# Altium PCB ZYNQ7010_AD9363.PcbDoc (part 4 of 6) (continued)
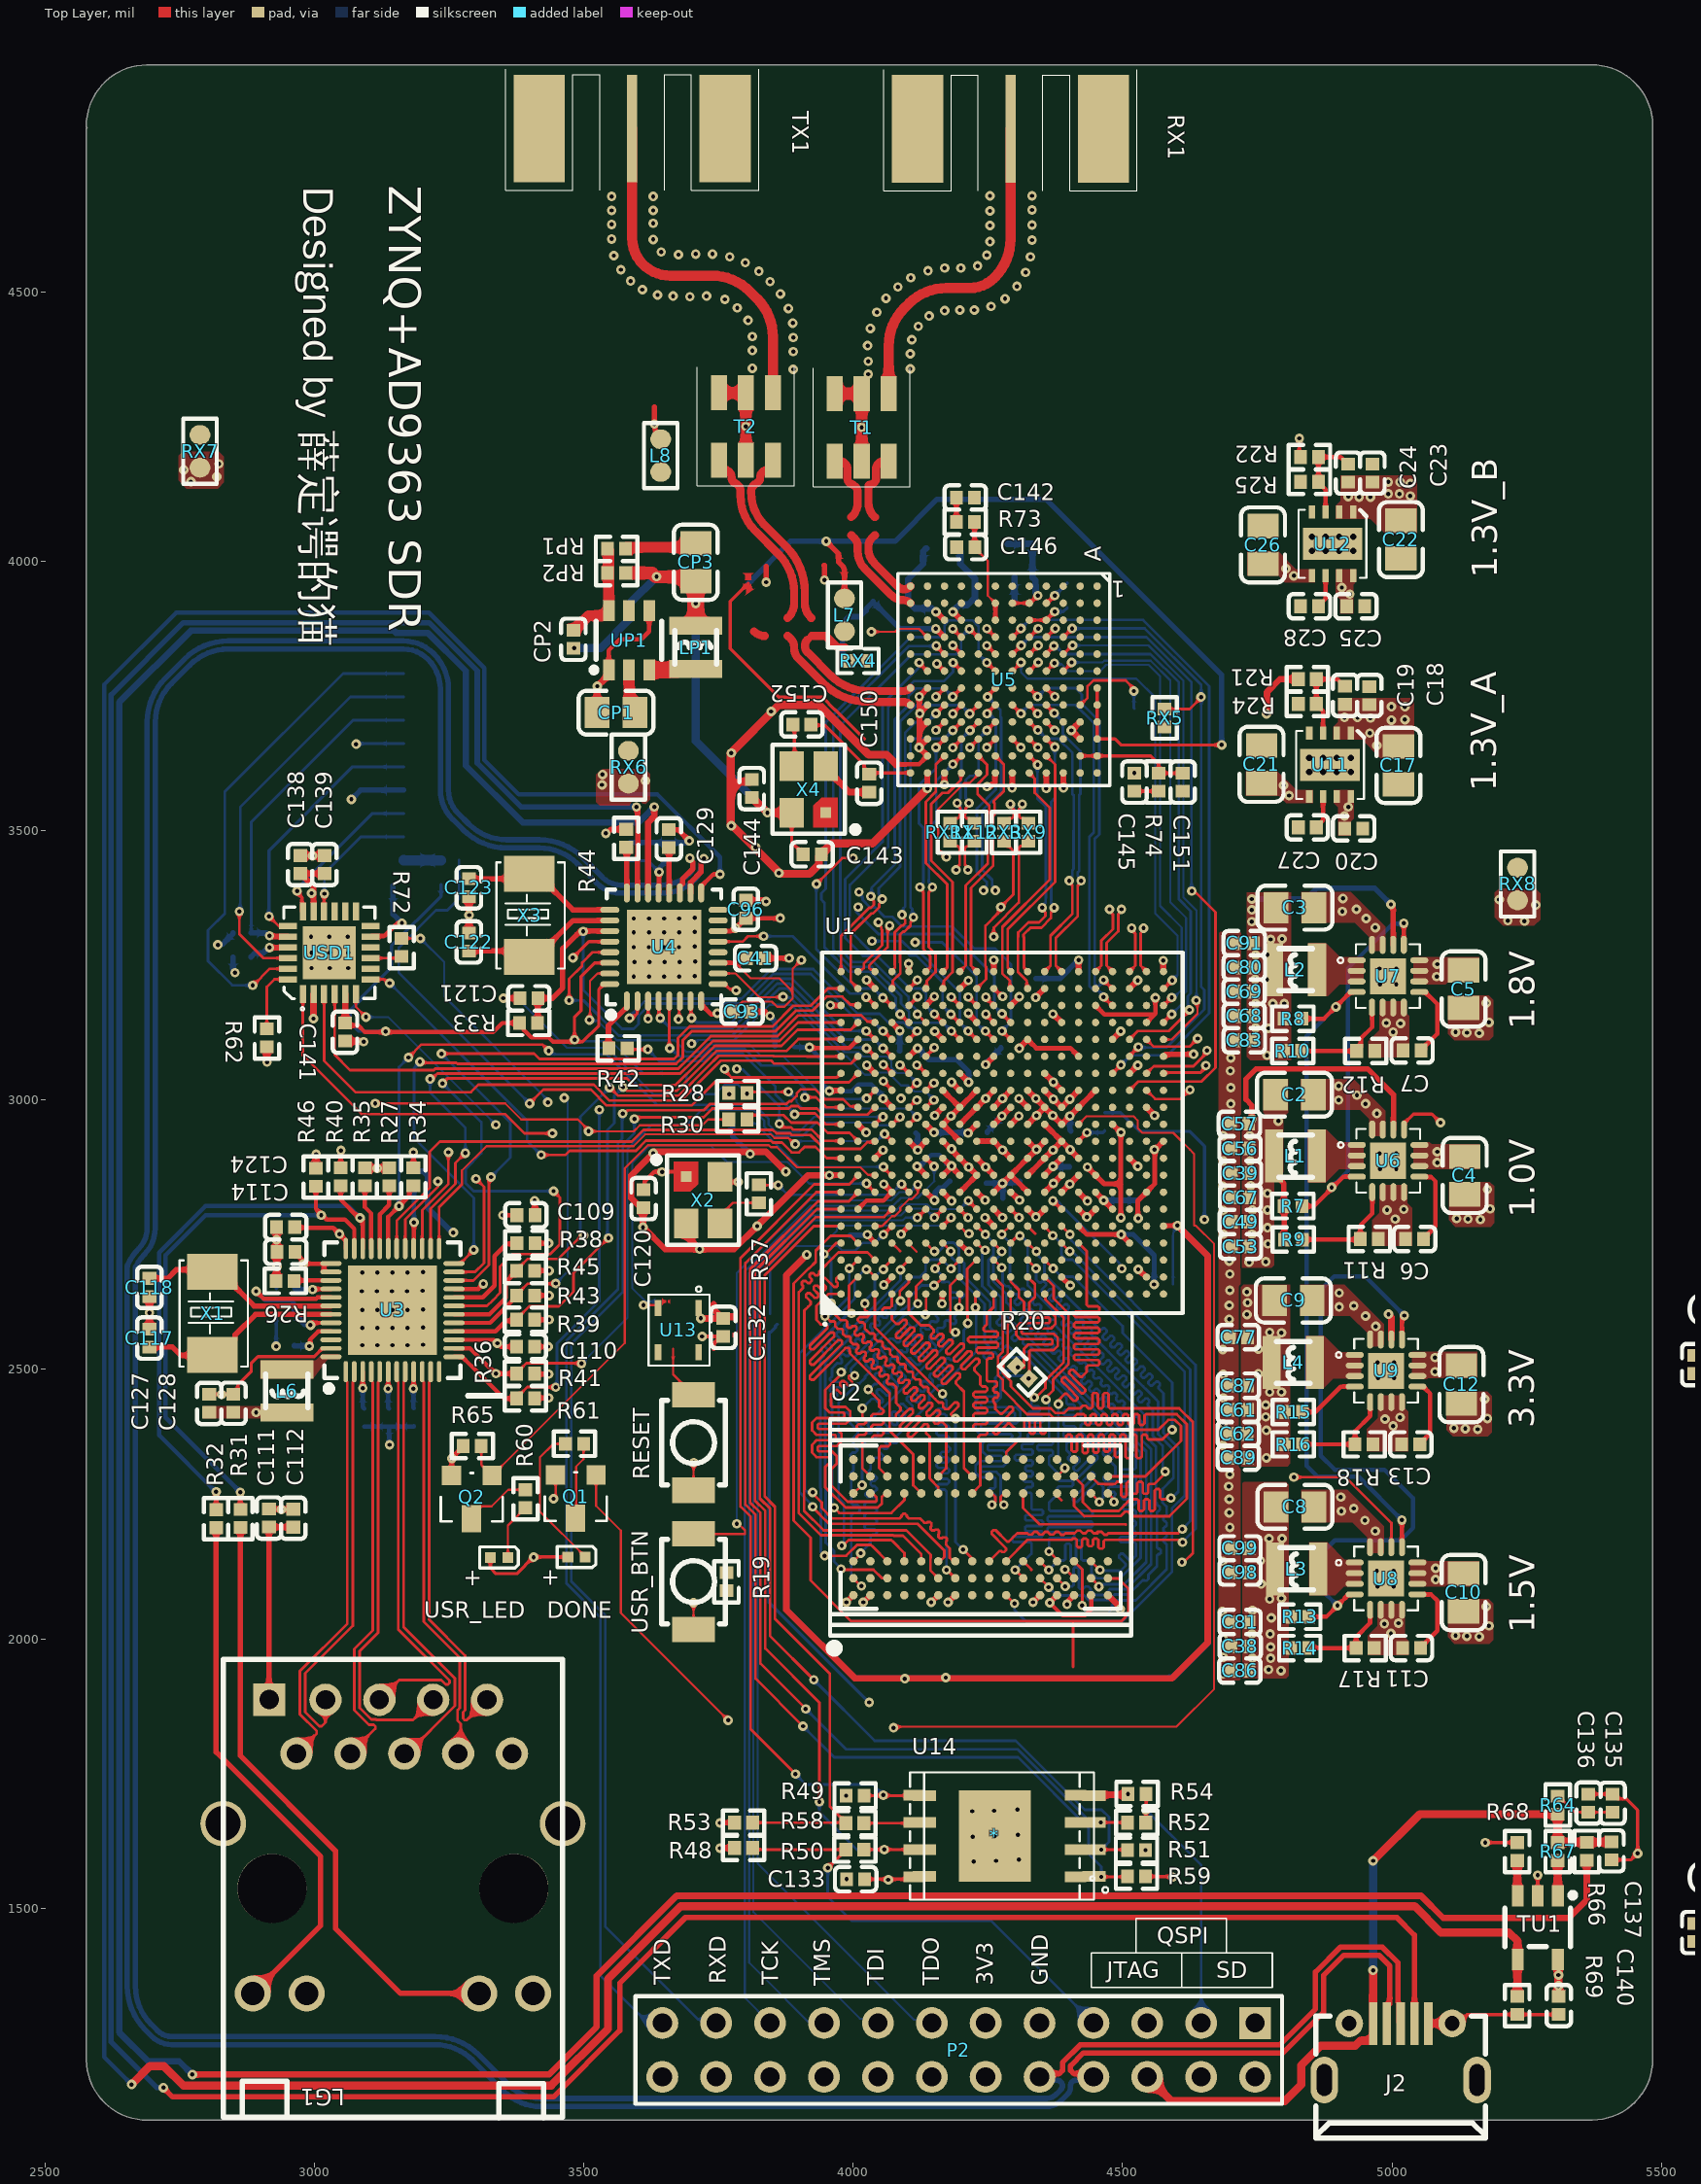
[diagram p0: Top Layer view]
## Nets (pads, with @x,y where several pads share a name; then routed paths per layer and width w, separated by ;. In a path a pad name is that pad's centre, name@x,y a point inside that pad or via, vN(x,y) a via of type N, cw(c..) or ccw(c..) an arc to the next point about the centre after c; other vN are vias at no path point) (continued)
NetR44_1: R44.1 U4.24 | length 85.1
  Top Layer w10: R44.1@3579,3469 3579.91,3468.09 3579.91,3384.59 U4.24@3580.1,3384.39
NetR55_2: R55.2 U1.R10 | length 56.6
  Top Layer w5: U1.R10@4418.32,2923.81 v1(4434.06,2939.55)
  Bottom Layer w6: v1(4434.06,2939.55) 4463.55,2939.55 R55.2@4467,2943
NetR57_2: R57.2 U1.L6 | length 22.3
  Top Layer w5: U1.L6@4292.48,2797.48 v1(4308.22,2781.74)
NetR60_2: R60.2 USR_LED.2 | length 106.5
  Top Layer w4: USR_LED.2@3359.14,2151 3359.14,2210.41 3381.2,2232.47 3381.2,2233.46 3391.02,2243.27 R60.2@3392,2243.27
NetR62_2: R62.2 USD1.24 | length 123.1
  Top Layer w5: R62.2@2912,3132 2912,3210 2926.1,3224.1 USD1.24@2951.3,3224.1
NetR63_2: R63.2 tf1.3 USD1.20 | length 638.4
  Top Layer w10: v1(2917,3305) 2918.3,3303.7 2950.4,3303.7 USD1.20@2951.3,3302.8
  Bottom Layer w5: R63.2@2883,3310 2883,3516 3071.97,3704.97 tf1.3@3165.82,3704.97
  Bottom Layer w10: R63.2@2883,3310 2909.91,3310 2914.91,3305 v1(2917,3305)
NetR67_2: R67.2 TU1.1 | length 65.4
  Top Layer w4: TU1.1@5307.5,1523.7 TU1.1@5307.9,1523.3
  Top Layer w15: TU1.1@5307.5,1523.7 R67.2@5307.5,1588.5
NetR68_1: R68.1 TU1.3 | length 65.5
  Top Layer w4: TU1.3@5232.5,1523.9 TU1.3@5233.1,1523.3
  Top Layer w15: TU1.3@5232.5,1523.9 R68.1@5232.5,1588.5
NetR70_1: R70.1 tf1.9 | length 69.5
  Bottom Layer w19: tf1.9@3165.82,3445.13 3165.88,3445.06 3235.2,3445.06 R70.1@3235.27,3445
NetR72_1: R72.1 USD1.9 | length 68.1
  Top Layer w5: USD1.9@3104.9,3263.4 3169.6,3263.4 R72.1@3172,3261
NetR75_1: R75.1 U5.L4 | length 112.6
  Top Layer w4: v1(4034,3869) 4078.21,3869 4083.67,3874.46 4122.36,3874.46 U5.L4@4137.71,3859.11
  Top Layer w10: U5.L4@4137.71,3859.11 U5.L4@4138.02,3859.11
NetRESET_2: RESET.2 U13.3 | length 101.3
  Top Layer w4: 3666,2538.4 3666,2490.73 RESET.2@3703.95,2452.79
NetRX1_1: RX1.1 T1.3 | length 634.4
  Top Layer w19: T1.3@4066,4311 4066,4399.58 cw(c4166,4399.58) 4095.29,4470.29 4102.71,4477.71 cw(c4173.42,4407) 4173.42,4507 4216.13,4507 ccw(c4216.13,4571.87) 4262,4526 4262.71,4526.71 ccw(c4192,4597.42) 4292,4597.42 RX1.1@4292,4802.5
NetRX2_1: RX2.1 T2.3
NetT3_3: T3.3 TX1.1
NetT4_3: T4.3 TX2.1
Nettf1_1: tf1.1 USD1.23 | length 929.2
  Top Layer w5: v1@2886.37,3212.37 2917.7,3243.7 USD1.23@2951.3,3243.7
  Bottom Layer w5: v1@2886,3213 2848,3213 2803,3258 2803,3315 2834,3346 2834,3572 3053.58,3791.58 tf1.1@3165.82,3791.58
  other v1: 2885.87,3212.87
Nettf1_2: tf1.2 USD1.22 | length 732.2
  Top Layer w5: v1(2861,3350) 2861,3308 2905.6,3263.4 USD1.22@2951.3,3263.4
  Bottom Layer w5: v1@2863,3350 2863,3544 3067.28,3748.28 tf1.2@3165.82,3748.28
Nettf1_5: tf1.5 USD1.19 | length 479.3
  Top Layer w5: v1@2916,3341 2934.5,3322.5 USD1.19@2951.3,3322.5
  Bottom Layer w6: v1(2915.87,3340.87) 2915.87,3462.87 3071.35,3618.35 tf1.5@3165.82,3618.35
Nettf1_7: tf1.7 USD1.18 | length 302.2
  Top Layer w6: v1(2968,3388) 2968,3384.83 2977.13,3375.7 2977.13,3362.57 USD1.18@2978,3361.7
  Top Layer w10: USD1.18@2978,3361.7 2978,3350.9 USD1.18@2978.9,3350
  Bottom Layer w6: v1(2968,3388) 2968,3391.17 2972.63,3395.8 2972.63,3396.63 3107.74,3531.74 tf1.7@3165.82,3531.74
Nettf1_8: tf1.8 USD1.16 | length 246.2
  Top Layer w5: USD1.16@3018.3,3350 3018.3,3382.3 v1(3018.87,3382.87) v1@3019,3383
  Bottom Layer w5: v1(3018.87,3382.87) 3018.87,3420.87 3086.43,3488.43 tf1.8@3165.82,3488.43
OTG_CLK: R42.1 U1.A11 | length 477.7
  Top Layer w5: R42.1@3580.73,3096 3582.73,3094 v1(3619,3094) ; v1(3891.36,2973.36) 3893,2975 3929.32,2975 3949.36,2954.96 U1.A11@3977.52,2954.96
  Bottom Layer w5: v1(3619,3094) 3641,3072 3723,3072 3737,3086 3795,3086 3856,3025 3856,3010 3891,2975 3891,2973.72 v1(3891.36,2973.36)
OTG_DATA0: U1.A14 U4.3 | length 463.2
  Top Layer w5: v1(3619.47,3150.81) U4.3@3619.47,3183.61 ; v1(3761.36,3057.64) 3761.36,3054.64 3774,3042 3970.07,3042 U1.A14@3977.52,3049.45
  Mid-Layer 1 w5: v1(3619.47,3150.81) 3619.47,3137.53 3641,3116 3641,3091 3655,3077 3739,3077 3758.36,3057.64 v1(3761.36,3057.64)
OTG_DATA1: U1.D15 U4.4 | length 560.4
  Top Layer w5: U4.4@3639.16,3183.61 3639.58,3183.19 3639.58,3154.42 v1(3642,3152) ; v1(4055.43,3096.14) 4056.12,3096.14 4071.32,3080.94 U1.D15@4072.01,3080.94
  Bottom Layer w5: v1(3642,3152) 3660.14,3133.86 3777.11,3133.86 3850.25,3207 3859.25,3216 3882.06,3216 3891.06,3207 3985.7,3112.36 4039.51,3112.36 4055.3,3096.57 4055.3,3096.27 v1(4055.43,3096.14)
OTG_DATA2: U1.A12 U4.5 | length 473.1
  Top Layer w5: U4.5@3658.84,3183.61 3658.84,3096.88 v1(3659.64,3096.08) ; v1(3910.4,3004.56) 3910.85,3005 3931.27,3005 3949.82,2986.45 U1.A12@3977.52,2986.45
  Bottom Layer w5: v1(3659.64,3096.08) 3661.92,3096.08 3677,3081 3719.27,3081 3733.27,3095 3798.73,3095 3829.73,3064 3868,3064 3910,3022 3910,3004.96 v1(3910.4,3004.56)
OTG_DATA3: U1.F12 U4.6 | length 667.9
  Top Layer w4: v1(3676,3150) 3677.26,3151.26 3677.26,3182.34 U4.6@3678.53,3183.61 ; v1@3698.36,3104.64 v1(3700.28,3104.64) ; U1.F12@4135,2986.45 v1@4148.7,3000.15
  Mid-Layer 1 w4: v1(3676,3150) 3676,3128.92 v1(3700.28,3104.64)
  Bottom Layer w4: v1(3700.28,3104.64) 3701.72,3104.64 3702,3104.36 3705.37,3104.36 3712.51,3111.5 3779.5,3111.5 3844.78,3176.78 3885.22,3176.78 3981,3081 3988,3081 4022,3047 4031,3047 4035.14,3051.14 4064.86,3051.14 4089,3027 4102.21,3027 4113.21,3016 4134.23,3016 v1(4150.08,3000.15)
OTG_DATA4: U1.C16 U4.7 | length 456.3
  Top Layer w5: U4.7@3698.21,3183.61 3699.16,3182.65 3699.16,3152.99 v1(3700.12,3152.04) ; v1(4024.23,3128.23) 4024.72,3128.23 U1.C16@4040.51,3112.44
  Bottom Layer w5: v1(3700.12,3152.04) 3701.36,3152.04 3709.4,3144 3774.52,3144 3855.52,3225 3887.07,3225 3983.84,3128.23 v1(4024.23,3128.23)
OTG_DATA5: U1.A10 U4.9 | length 455
  Top Layer w5: U4.9@3749.39,3215.1 3761.6,3215.1 3770.91,3205.79 3780.57,3205.79 v1(3783,3203.36) ; v1(3863.16,2955.86) 3863.16,2951.93 3866.09,2949 3885,2949 3889.16,2944.84 3923.61,2944.84 3944.14,2924.32 3976.66,2924.32 U1.A10@3977.52,2923.46
  Mid-Layer 1 w5: v1(3783,3203.36) 3783.5,3202.86 3783.5,3058.14 v1(3784,3057.64)
  Bottom Layer w5: v1(3784,3057.64) 3784.64,3057 3794.53,3057 3863.16,2988.37 v1(3863.16,2955.86)
OTG_DATA6: U1.E13 U4.10 | length 482.1
  Top Layer w4: U4.10@3749.39,3234.79 3749.57,3234.96 3782.04,3234.96 3826.2,3190.8 3869.15,3190.8 v1(3870,3191.64) ; U1.E13@4103.5,3017.95 4104.14,3017.95 4117.96,3031.77 v1(4118.59,3031.77)
  Bottom Layer w4: v1(3870,3191.64) 3871.64,3190 3883.31,3190 3984.31,3089 4009.43,3089 4017.57,3080.86 4062.15,3080.86 4070.86,3072.15 4070.86,3060 4080.86,3050 4100.23,3050 4118.45,3031.77 v1(4118.59,3031.77)
OTG_DATA7: U1.C18 U4.13 | length 347.5
  Top Layer w5: U4.13@3749.39,3293.84 3794.84,3293.84 3805,3304 v1(3834,3304) ; v1@4025.01,3190.93 U1.C18@4040.51,3175.43
  Bottom Layer w5: v1(3834,3304) 3888,3304 3994.64,3197.36 4017.5,3197.36 v1(4023.93,3190.93)
OTG_DIR: U1.C13 U4.31 | length 721.9
  Top Layer w4: v1(3510.64,3148.64) 3511.86,3149.86 3511.86,3220.87 3525.78,3234.79 U4.31@3548.61,3234.79 ; v1@4026.81,3004.25 U1.C13@4040.51,3017.95
  Bottom Layer w4: v1(3510.64,3148.64) 3512.29,3146.99 3525.5,3146.99 3561.49,3111 3669,3111 3690.5,3089.5 3715.75,3089.5 3729.75,3103.5 3807.12,3103.5 3829.41,3081.2 3870.5,3081.2 3949.92,3001.78 4023.78,3001.78 v1(4025,3003)
OTG_NXT: U1.E16 U4.2 | length 684.3
  Top Layer w5: v1(3585,3152) 3591,3152 3599.39,3160.39 3599.39,3183.21 U4.2@3599.79,3183.61 ; U1.E16@4103.5,3112.44 v1@4119,3127.94
  Bottom Layer w5: v1(3585,3152) 3585,3154.73 3618.27,3188 3793.07,3188 3848.07,3243 3926,3243 4009,3160 4049,3160 4065.21,3143.79 4093.21,3143.79 4102.56,3134.44 4108.12,3134.44 4114.72,3127.84 4118.86,3127.84 v1(4119,3127.99)
OTG_RESETN: C121.2 R33.1 U1.D16 U4.27 | length 1087.6
  Top Layer w5: v1(4055.43,3127.99) 4056.46,3127.99 U1.D16@4072.01,3112.44
  Top Layer w10: R33.1@3414.46,3143 3414.73,3143.27 3414.73,3188.73 C121.2@3415,3189 3442,3189 3461,3208 3461,3281 3493.53,3313.53 U4.27@3548.61,3313.53
  Bottom Layer w5: v1(3499,3313) 3499,3204 3571,3132 3593,3132 3602,3141 3602,3156.27 3624.73,3179 3796.8,3179 3851.8,3234 3921.51,3234 4004.51,3151 4032.37,3151 v1(4055.43,3127.99) v1(4055.43,3127.99)
OTG_STP: U1.C15 U4.29 | length 822.5
  Top Layer w5: v1(3473,3185) 3473,3225 3497,3249 3497,3255 3516.16,3274.16 U4.29@3548.61,3274.16 ; v1(4025,3096.14) 4025.15,3096.14 4040.36,3080.94 U1.C15@4040.51,3080.94
  Bottom Layer w5: v1(3473,3185) 3499.51,3185 3564.87,3119.64 3583.36,3119.64 3583.72,3120 3775.98,3120 3862.98,3207 3878.33,3207 3987.83,3097.5 4023.64,3097.5 v1(4025,3096.14)
PG_1V0: R7.2 U6.4 U7.13 | length 721.7
  Top Layer w8: R7.2@4833,2803 4855,2803 4909.7,2857.7 U6.4@4934.8,2857.7 ; U7.13@5022,3288 v1(5022,3328)
  Bottom Layer w8: v1(4888,2838) 4918,2868 4918,3244 5001.14,3327.14 5021.14,3327.14 v1(5022,3328)
PG_1V5: R13.2 U8.4 U9.13 | length 1212.2
  Top Layer w8: R13.2@4845.73,2041 4878.15,2041 v1(4898.9,2061.75) 4919.65,2082.5 U8.4@4930.9,2082.5 ; U9.13@5018.6,2555.6 5018.6,2595.6 v1(5023,2600)
  Bottom Layer w8: v1(4898.9,2061.75) 4867,2093.65 4867,2156 4894,2183 5016,2183 5039,2206 5039,2261 4986,2314 4894,2314 4868,2340 4868,2648 4893,2673 4950,2673 5021,2602 5023,2602 v1(5023,2600)
PG_1V8: R8.2 U7.4 U8.13 | length 1265.5
  Top Layer w8: R8.2@4833,3151 4873.75,3151 4923.15,3200.4 U7.4@4934.4,3200.4 ; v1@5018,2221 v1(5018.5,2220.5) U8.13@5018.5,2170.1
  Bottom Layer w8: v1(4896,3173) 4842,3119 4842,2321 4862,2301 4938,2301 v1(5018.5,2220.5)
PHY_AD0/LED0: R31.1 R46.2 U3.35 | length 1018.2
  Top Layer w8: v1(2862.65,2272.27) 2862.65,2240.35 R31.1@2863,2240 ; R46.2@3003,2840.2 3003,2798.2 v1@3013.92,2787.27 ; v1(3013,2786.34) v1@3013.92,2787.27 ; U3.35@3074.27,2724.26 3074.27,2760.92 3057,2778.2 3023,2778.2 v1@3013.92,2787.27
  Bottom Layer w8: v1(2862.65,2272.27) 2724,2410.91 2724,2712.03 2798.31,2786.34 3012.31,2786.34 3012.65,2786 v1(3013,2786.34) v1@3014.85,2786.34
PHY_AD1/LED1: R32.1 R40.2 U3.34 | length 1078.5
  Top Layer w8: R32.1@2818,2239.73 v1(2818,2273) ; R40.2@3049,2840.47 3049,2815.2 3084,2780.2 3090.02,2774.18 U3.34@3090.02,2724.26
  Bottom Layer w8: v1@2821.75,2268.25 2712,2378 2712,2717 2798.2,2803.2 3063,2803.2 v1(3085,2781.2)
PHY_MDI0_N: LG1.P3 U3.2 | length 762.7
  Top Layer w5: LG1.P3@3020.8,1887 3020.8,1845.04 3013.68,1837.93 3009.54,1837.93 2983.3,1864.17 2983.3,1936.16 3071.4,2024.25 3071.4,2476.69 3074.27,2479.56 U3.2@3074.27,2495.91
PHY_MDI0_P: LG1.P2 U3.1 | length 775.1
  Top Layer w5: LG1.P2@2966.9,1787 3004.54,1824.64 3004.54,1828.78 2973.3,1860.03 2973.3,1940.3 3061.4,2028.4 3061.4,2476.69 3058.52,2479.56 U3.1@3058.52,2495.91
PHY_MDI1_N: LG1.P7 U3.5 | length 800.6
  Top Layer w5: U3.5@3121.51,2495.91 3121.51,2479.56 3118.64,2476.69 3118.64,2011.5 3084.3,1977.16 3084.3,1871.88 3105.68,1850.5 3114.54,1850.5 3115.4,1849.64 3183.44,1849.64 LG1.P7@3220.8,1887
PHY_MDI1_P: LG1.P4 U3.4 | length 764.9
  Top Layer w5: LG1.P4@3066.9,1787 3113.33,1833.43 3113.33,1837.57 3110.4,1840.5 3101.54,1840.5 3074.3,1867.74 3074.3,1981.3 3108.64,2015.64 3108.64,2476.69 3105.77,2479.56 U3.4@3105.77,2495.91
PHY_MDI2_N: LG1.P6 U3.8 | length 791.7
  Top Layer w5: LG1.P6@3166.9,1787 3172.42,1787 3261,1875.58 3261,1926.7 3165.89,2021.82 3165.89,2476.69 3168.76,2479.56 U3.8@3168.76,2495.91
PHY_MDI2_P: LG1.P5 U3.7 | length 767.9
  Top Layer w5: LG1.P5@3120.8,1887 3157.3,1923.5 3235.92,1923.5 3243.93,1915.49 3248.07,1915.49 3251,1918.42 3251,1922.56 3155.89,2017.68 3155.89,2476.69 3153.01,2479.56 U3.7@3153.01,2495.91
PHY_MDI3_N: LG1.P9 U3.11 | length 735.7
  Top Layer w5: U3.11@3216,2495.91 3216,2479.56 3213.13,2476.69 3213.13,2035.87 3280,1969 3280,1867.71 3276.09,1863.8 3276.09,1852.29 3279.02,1849.36 3283.16,1849.36 LG1.P9@3320.8,1887
PHY_MDI3_P: LG1.P8 U3.10 | length 743.9
  Top Layer w5: U3.10@3200.26,2495.91 3200.26,2479.56 3203.13,2476.69 3203.13,2031.73 3270,1964.86 3270,1871.85 3266.09,1867.94 3266.09,1848.14 3271.94,1842.29 3271.94,1792.04 LG1.P8@3266.9,1787
PMEB: R35.2 U3.33 | length 121.1
  Top Layer w8: R35.2@3094,2840.47 3094,2801.2 3105.77,2789.43 U3.33@3105.77,2724.26
PS_CLK_500: R37.1 U1.E7 | length 300.2
  Top Layer w4: R37.1@3825,2842.73 3825.73,2842 v1(3861,2842) ; v1@4089.8,2842.67 U1.E7@4103.5,2828.97
  Bottom Layer w4: v1(3861,2842) 3879,2824 4069,2824 4089.05,2844.05 v1(4089.8,2844.05)
PS_MIO7: R56.2 U1.D8 | length 315.8
  Top Layer w4: v1@4056.3,2874.7 U1.D8@4070,2861
  Bottom Layer w4: R56.2@3795.01,2961 3799.52,2956.49 3818.2,2956.49 3898.61,2876.08 v1(4056.3,2876.08)
PS_MIO8: R47.2 U1.D5 | length 347.3
  Top Layer w5: v1(4055.92,2750.1) U1.D5@4071.66,2765.84
  Bottom Layer w4: R47.2@3846,2602.73 3846,2684 3890.86,2728.86 3971.34,2728.86 3979.2,2721 4004,2721 4018,2735 4040.82,2735 v1(4055.92,2750.1)
PS_PRO_B: U1.C7 U3.29 U13.2 | length 1489.5
  Top Layer w4: v1(3611,2619.3) 3634,2619.3 3638,2615.3 U13.2@3638,2614.3 ; v1@4024.8,2843.67 U1.C7@4038.5,2829.97
  Top Layer w5: U3.29@3168.76,2724.26 3168.76,2778.48 3230,2839.72 3230,2848.28 v1(3229.36,2848.92)
  Mid-Layer 1 w5: v1(3229.36,2848.92) 3230,2848.28 3230,2816 3338,2708 3557,2708 3639,2626
  Bottom Layer w4: 3639,2626 3615,2626 3590,2651 3590,2883.15 3622.85,2916 3735.11,2916 3765.97,2885.14 3878.23,2885.14 3918.32,2845.05 v1(4024.8,2845.05)
QSPI_CS: *.1 R59.1 U1.A7 U14.1 | length 1941.2
  Top Layer w5: v1(3907,1838) 3819,1926 3819,2230.26 3800,2249.26 3800,2697.28 3931.69,2828.97 U1.A7@3977.52,2828.97 ; *.1@4412.61,1558.41 v1(4460.64,1558.41) 4508.68,1558.41 R59.1@4509.27,1559
  Bottom Layer w5: v1(3907,1838) 3965,1780 4306,1780 4437,1649 4437,1601 4460.64,1577.36 v1(4460.64,1558.41)
QSPI_D0: *.5 R49.2 U1.B8 U14.5 | length 1544.8
  Top Layer w5: v1(3893,1749) 3810,1832 3810,2226.53 3791,2245.53 3791,2706.92 3927.61,2843.54 3992.95,2843.54 4009.01,2859.6 U1.B8@4009.01,2860.47 ; R49.2@4020.46,1709 4056,1709 *.5@4103.85,1709
  Bottom Layer w5: v1(3893,1749) 3912.5,1729.5 4036.5,1729.5 v1(4056,1710)
QSPI_D1: *.2 R51.2 U1.D6 U14.2 | length 1907.2
  Top Layer w5: v1(3927,1924) 3846,2005 3846,2241.44 3827,2260.44 3827,2678.73 3931.09,2782.82 4057.35,2782.82 U1.D6@4072.01,2797.48 ; *.2@4412.6,1608.8 v1(4460.53,1608.8) 4508.47,1608.8 R51.2@4509.27,1608
  Bottom Layer w5: v1(3927,1924) 4040,1811 4302,1811 4430,1683 4461,1683 4475,1669 4475,1623.27 v1(4460.53,1608.8)
QSPI_D2: *.3 R52.2 U1.B7 U14.3 | length 1849.6
  Top Layer w5: v1@3912,1871 3911,1871 3828,1954 3828,2233.99 3809,2252.99 3809,2686.18 3934.69,2811.87 3991.91,2811.87 U1.B7@4009.01,2828.97 ; *.3@4412.6,1659.2 4460.97,1659.2 4509.34,1659.2 R52.2@4509.54,1659
  Bottom Layer w5: v1(3912,1870) 3987,1795 4305.27,1795 4441.07,1659.2 v1(4459.64,1659.2)
QSPI_D3: *.7 R50.2 U1.A6 U14.7 | length 1503.1
  Top Layer w5: v1(3937.33,1697.67) 3937.33,1881.67 3837,1982 3837,2237.71 3818,2256.71 3818,2682.46 3933.02,2797.48 U1.A6@3977.52,2797.48 ; R50.2@4020,1609 v1(4058,1609) U14.7@4113.2,1609
  Bottom Layer w5: v1(3937.33,1697.67) 3937.33,1678.67 4007,1609 v1(4058,1609)
QSPI_SCK: R53.2 R58.2 U1.A5 | length 1429.2
  Top Layer w5: R53.2@3813.46,1659 3985.54,1659 3985.54,1659.98 3956.76,1688.76 3956.76,1935.24 3855,2037 3855,2245.17 3836,2264.17 3836,2675 3926.98,2765.98 U1.A5@3977.52,2765.98
REG_OUT: L6.1 U3.48
RFGND: C14.2 C15.2 C17.1 C18.1 C20.1 C21.1 C22.1 C23.1 C25.1 C26.1 C27.1 C28.1 C58.2 C59.1 C60.2 C63.1 C142.2 C143.1 C144.1 C145.1 C146.1 C150.1 C151.1 C162.2 C165.2 C166.2 C168.2 C169.2 C170.2 C171.2 C172.2 C173.2 C174.2 C175.2 C176.2 C177.2 CP1.1 CP3.1 R24.2 R25.2 R75.2 RP1.2 RX1.2 RX1.3 RX1.4 RX1.5 RX2.2 RX2.3 RX2.4 RX2.5 RX5.1 RX6.1 RX7.1 RX8.1 RX10.1 RX13.1 RX14.1 RX15.1 RX22.1 T1.1 T1.2 T1.5 T2.1 T2.2 T2.5 T3.1 T3.2 T3.5 T4.1 T4.2 T4.5 TX1.2 TX1.3 TX1.4 TX1.5 TX2.2 TX2.3 TX2.4 TX2.5 U5.A1 U5.A2 U5.A4 U5.A5 U5.A6 U5.A12 U5.B1 U5.B2 U5.B12 U5.C1 U5.C2 U5.C7 U5.C8 U5.C9 U5.C10 U5.C11 U5.C12 U5.D1 U5.D12 U5.E1 U5.F1 U5.F3 U5.F7 U5.F9 U5.F11 U5.G1 U5.G12 U5.H2 U5.H3 U5.H5 U5.H6 U5.H7 U5.H10 U5.J2 U5.K1 U5.K2 U5.K12 U5.L1 U5.L2 U5.L3 U5.L7 U5.L8 U5.L9 U5.L10 U5.L11 U5.L12 U5.M4 U5.M5 U5.M6 U11.0 U11.4 U12.0 U12.4 UP1.2 X4.2 | length 2425.1
  Top Layer w5: v1@4216.76,3654.39 U5.H10@4232.51,3670.13
  Top Layer w8: 4080,3623 4122.37,3623 U5.L11@4138.02,3638.64
  Top Layer w10: v1(4123.61,3717.36) 4123.61,3718.05 4138.02,3732.45 U5.L8@4138.02,3733.13 ; v1(4137.86,3578.1) 4137.94,3578.18 4137.94,3607.07 U5.L12@4138.02,3607.14 ; U5.L11@4138.02,3638.64 U5.L11@4138.02,3638.64 v1(4122.38,3654.17) v1(4122.38,3654.17) 4122.38,3654.33 v1@4123.02,3654.97 ; U5.L10@4138.02,3670.13 4138.02,3669.97 v1@4123.02,3654.97 ; U5.L9@4138.02,3701.63 U5.L9@4138.02,3701.63 4123.02,3686.58 ; U5.L7@4138.02,3764.62 4138.02,3764.14 4122.85,3748.98 v1(4122.85,3748.49) 4123.02,3748.33 4123.02,3686.58 ; v1(4169.51,3585.36) U5.K12@4169.51,3607.14 ; v1(4248.36,3581.64) 4254.64,3581.64 4263.23,3590.23 4263.23,3606.38 U5.G12@4264,3607.14 ; v1(4358.49,3578.1) U5.D12@4358.49,3607.14 ; v1(4390.47,3579.25) U5.C12@4390.47,3608.29 ; v1@4123.02,3654.97 4123.02,3686.58
  Top Layer w12: X4.2@3949,3620 3949,3615.09 3992.82,3571.27 C150.1@4030,3571.27
  Top Layer w14: 4062,3641 4080,3623
  Top Layer w15: C144.1@3812,3594.73 3807.92,3590.65 3789.65,3590.65 3773,3574 ; 4062,3641 4029,3641 3937,3733 3862,3733 3773,3644 3773,3574 ; v1(4137.86,3578.1) 4035.76,3476 3960.73,3476 3946.03,3461.3 3945.04,3461.3 3940.73,3456.98 C143.1@3940.73,3456 3936.42,3451.69 3936.42,3437.42 3919,3420 3865,3420 3773,3512 3773,3574
  Top Layer w20: RP1.2@3577.73,4023 3577.73,4023.98 3579.54,4025.8 3700.76,4025.8 CP3.1@3708,4033.04 ; UP1.2@3584,3798.08 3584.82,3797.25 3584.82,3729.22 CP1.1@3595.04,3719 ; T2.1@3751,4312.51 T2.2@3801,4312.51 T2.5@3801,4187.51 ; T1.1@3966,4311 T1.2@4016,4311 T1.5@4016,4186
  Mid-Layer 2 w10: v1(4137.86,3578.1) 4139.34,3579.58 4161.64,3579.58 4167.42,3585.36 v1(4169.51,3585.36) v1@4242.55,3585.36 ; v1(4216.65,3654.39) 4217.7,3653.34 4217.7,3612.3 v1(4248.36,3581.64) ; v1(4358.49,3578.1) 4359.06,3578.67 4389.9,3578.67 v1(4390.47,3579.25)
  Bottom Layer w12: C165.2@4299.27,3925 C168.2@4299.27,3970
  other v1: 3862.36,3421.36 3819,3469 3774,3509 4522,3606.73 3774,3644 3848,3721 4016,4248.5 3801,4250.01 4028,4347 3889,4356 4106,4357 3813,4358 4028,4371 4106,4385 3889,4389 3813,4391 4027,4400 4109,4411 3889,4415 3813,4417 4032,4432 4121,4436 3888,4442 3805,4447 4141,4455 4044,4462 4170,4465 4198,4466 4225,4466 3880,4469 3785,4470 4256,4473 3762,4486 4282,4487 4061,4488 3697,4491 3666,4492 3728,4492 3637,4494 3865,4496 3609,4504 4083,4509 4304,4510 3846,4519 3587,4520 4107,4526 4320,4536 3825,4538 4139,4539 3569,4541 4170,4544 4200,4544 4231,4548 3800,4554 3771,4565 4329,4565 3556,4567 4248,4568 3676,4569 3708,4570 3739,4570 3644,4574 4254,4593 4332,4596 3629,4597 3552,4598 4254,4623 4332,4624 3552,4625 3629,4627 4254,4650 3552,4651 3629,4651 4332,4652 3552,4677 3629,4677 4254,4678 4332,4678
  other v2: 4846.61,3609.2 4872.2,3609.2 4897.8,3609.2 4923.39,3609.2 4846.61,3634.8 4872.2,3634.8 4897.8,3634.8 4923.39,3634.8 4851.23,4019.41 4876.82,4019.41 4902.41,4019.41 4928,4019.41 4851.23,4045 4876.82,4045 4902.41,4045 4928,4045
RX1A_N: C16.2 U5.M2 | length 179.6
  Top Layer w15: 3996,4048.27 cw(c3996,4045.89) 3997.68,4047.57 4002.74,4042.51 cw(c3988.84,4028.61) 4008.5,4028.61 4008.5,4018.08 ccw(c4053.58,4018.08) 4021.7,3986.21 4071.16,3936.75 ccw(c4092.63,3958.22) 4092.63,3927.85 cw(c4092.63,3908.22) U5.M2@4106.52,3922.1
RX1A_P: C30.2 U5.M1 | length 147.8
  Top Layer w15: 4041,4048.27 ccw(c4041,4045.89) 4039.32,4047.57 4034.26,4042.51 ccw(c4048.16,4028.61) 4028.5,4028.61 4028.5,4022.22 ccw(c4063.58,4022.22) 4038.77,3997.42 4083.95,3952.25 ccw(c4094.55,3962.85) 4094.55,3947.85 ccw(c4094.55,3962.85) 4105.15,3952.24 U5.M1@4106.52,3953.6
RX1AN_N: C16.1 T1.6 | length 133.9
  Top Layer w15: T1.6@3966,4186 3974.5,4186 cw(c3974.5,4171) 3989.5,4171 3989.5,4153.5 ccw(c4001,4153.5) 3997.75,4142.47 cw(c3993.5,4128.08) 4008.5,4128.03 4008.5,4108.46 cw(c3971.56,4108.55) 4000.33,4085.38 cw(c3988.68,4094.82) 3996,4081.73
RX1AN_P: C30.1 T1.4 | length 133.5
  Top Layer w15: 4041,4081.73 cw(c4041,4084.11) 4039.32,4082.43 cw(c4065.44,4108.55) 4028.5,4108.55 4028.5,4140.85 cw(c4034.92,4127.29) 4032.7,4142.13 ccw(c4031,4153.5) 4042.5,4153.5 4042.5,4171 cw(c4057.5,4171) 4057.5,4186 T1.4@4066,4186
RX1B_N: C29.2 U5.J1
RX1B_P: C31.2 U5.H1
RX1BN_N: C29.1 T2.6 | length 348.6
  Top Layer w15: T2.6@3751,4187.51 3751,4182.38 ccw(c3763.8,4182.38) 3754.75,4173.33 ccw(c3763.8,4182.38) 3763.8,4169.58 3763.85,4169.57 cw(c3759.5,4155.21) 3774.5,4155.21 3774.5,4155 ccw(c3786,4155.01) 3781.62,4144.38 cw(c3776,4130.47) 3791,4130.47 3791,4122.21 ccw(c3884.15,4122.21) 3818.28,4056.34 3861.22,4013.4 cw(c3790.5,3942.7) 3890.5,3942.7 3890.5,3921.46 cw(c3853.56,3921.55) 3882.33,3898.38 cw(c3870.68,3907.82) 3878,3894.73
RX1BN_P: C31.1 T2.4 | length 348
  Top Layer w15: T2.4@3847.22,4173.3 cw(c3837.33,4184.58) 3841.17,4170.08 3838.68,4169.42 ccw(c3842.5,4154.92) 3827.5,4155.01 cw(c3816,4155.01) 3820.34,4144.36 ccw(c3826,4130.47) 3811,4130.47 3811,4126.35 ccw(c3894.15,4126.35) 3835.36,4067.55 3875.4,4027.51 cw(c3790.66,3942.77) 3910.5,3942.77 3910.5,3921.55 ccw(c3947.44,3921.55) 3921.32,3895.43 ccw(c3923,3897.11) 3923,3894.73 ; T2.4@3847.25,4173.33 ccw(c3838.2,4182.38) 3851,4182.38 T2.4@3851,4187.51
RX_D0_N: U1.G20 U5.K11 | length 434.7
  Top Layer w5: U1.G20@4166.49,3238.42 4167.28,3238.42 4174.6,3245.74 4174.6,3400.4 4135,3440 4135,3553.52 4153.51,3572.02 4153.51,3622.64 U5.K11@4169.51,3638.64
RX_D0_P: U1.G19 U5.J12 | length 453.4
  Top Layer w5: U1.G19@4166.49,3206.93 4168.17,3208.61 4168.17,3220.99 4184.6,3237.42 4184.6,3404.54 4145,3444.14 4145,3549.38 4165.62,3570 4176,3570 4199.82,3593.82 4199.82,3605.96 U5.J12@4201.01,3607.14
RX_D1_N: U1.F20 U5.K10 | length 469
  Top Layer w5: v1(4124,3395) 4124,3392.21 4130.5,3385.71 4130.5,3279.85 4143.1,3267.25 4143.1,3245.74 4135.78,3238.42 U1.F20@4135,3238.42 ; v1(4153.76,3654.39) U5.K10@4169.51,3670.13
  Bottom Layer w5: v1(4124,3395) 4124,3397.79 4130.5,3404.29 4130.5,3412.88 4130.62,3413 4130.62,3505.12 4122.51,3513.24 4122.51,3584.46 4153.76,3615.72 v1(4153.76,3654.39)
RX_D1_P: U1.F19 U5.J11 | length 475.1
  Top Layer w5: U1.F19@4135,3206.93 4136.68,3208.61 4136.68,3220.99 4153.1,3237.41 4153.1,3271.39 4140.5,3283.99 4140.5,3385.71 4147,3392.21 v1(4147,3395) ; v1@4185.17,3623.12 4185.51,3623.12 U5.J11@4201.01,3638.64
  Bottom Layer w5: v1(4147,3395) 4147,3397.79 4140.5,3404.29 4140.5,3408.73 4140.62,3408.86 4140.62,3505.12 4154.15,3518.64 4154.15,3592.1 v1(4185.15,3623.1)
RX_D2_N: U1.E19 U5.K9 | length 580
  Top Layer w5: U1.E19@4103.5,3206.93 v1(4119.24,3222.67) ; v1(4153.76,3686.27) v1(4153.76,3686.27) 4169.05,3701.63 U5.K9@4169.51,3701.63
  Mid-Layer 1 w5: v1(4119.24,3222.67) 4119.24,3220.81 4127.81,3212.24 4131.95,3212.24 4135.6,3215.89 4135.6,3338.4 4094,3380 4094,3414 4102,3422 4102,3578.6 4108.2,3584.8 4108.2,3585.33 4137.74,3614.87 4137.74,3670.25 v1(4153.76,3686.27)
RX_D2_P: U1.E18 U5.J10 | length 585.1
  Top Layer w5: U1.E18@4103.5,3175.43 v1(4119.89,3191.82) ; v1(4185.15,3653.86) 4185.25,3653.86 U5.J10@4201,3669.61
  Mid-Layer 1 w5: v1(4119.89,3191.82) 4119.89,3193.68 4128.46,3202.24 4136.09,3202.24 4145.6,3211.75 4145.6,3342.54 4104,3384.14 4104,3409.86 4112,3417.86 4112,3574.46 4147.74,3610.2 4147.74,3636.1 4150.67,3639.03 4170.31,3639.03 v1(4185.15,3653.86)
RX_D3_N: U1.D20 U5.K8 | length 554.3
  Top Layer w5: U1.D20@4072.01,3238.42 4072.01,3240.13 4077.62,3245.74 4077.62,3249.88 4077.07,3250.43 4077.07,3311.14 4089.82,3323.89 4092.32,3323.89 4096.47,3328.04 4096.47,3334.81 4090.84,3340.44 v1(4090.84,3343.88) ; v1(4153.76,3717.39) U5.K8@4169.51,3733.13
  Bottom Layer w5: v1(4090.84,3343.88) 4093.27,3346.31 4093.27,3356.13 4096.74,3359.6 4096.74,3681.97 4116.14,3701.38 4137.75,3701.38 v1(4153.76,3717.39)
RX_D3_P: U1.D19 U5.J9 | length 588.8
  Top Layer w5: U1.D19@4072.01,3206.93 4073.69,3208.61 4073.69,3221.16 4087.62,3235.1 4087.62,3254.02 4087.07,3254.58 4087.07,3307 4092.71,3312.64 4095.21,3312.64 4106.47,3323.9 4106.47,3330.03 4112,3335.56 v1(4112,3339) ; v1(4185.15,3685.89) 4185.25,3685.89 U5.J9@4201.01,3701.63
  Bottom Layer w5: v1(4112,3339) 4109.57,3341.43 4109.57,3354.87 4106.74,3357.7 4106.74,3666.1 4111.02,3670.38 4169.64,3670.38 v1(4185.15,3685.89)
RX_D4_N: U1.B20 U5.K7 | length 613.3
  Top Layer w5: U1.B20@4009.01,3238.42 4011.39,3238.42 4014.99,3242.02 4016.83,3242.02 4019.76,3244.95 4019.76,3253.23 4054,3287.47 4054,3315.56 4052.28,3317.28 4052.28,3321 4046.84,3326.44 v1(4046.84,3329.88) ; v1(4153.76,3748.36) U5.K7@4169.51,3764.1
  Mid-Layer 1 w5: v1(4046.84,3329.88) 4046.84,3333.32 4052.2,3338.68 4052.2,3344.06 4072,3363.86 4072,3671.46 4079.74,3679.2 4079.74,3696.07 4116.49,3732.82 4138.22,3732.82 v1(4153.76,3748.36)
RX_D4_P: U1.C20 U5.J8 | length 608
  Top Layer w5: U1.C20@4040.51,3238.42 4038.13,3238.42 4034.54,3242.02 4032.69,3242.02 4029.76,3244.95 4029.76,3249.09 4064,3283.33 4064,3316.56 4067.64,3320.2 v1(4067.64,3323.64) ; v1(4185.15,3716.86) 4185.25,3716.86 U5.J8@4201,3732.61
  Mid-Layer 1 w5: v1(4067.64,3323.64) 4067.64,3327.08 4062.2,3332.52 4062.2,3339.92 4082,3359.72 4082,3667.32 4116.68,3702 4170.29,3702 v1(4185.15,3716.86)
RX_D5_N: U1.A20 U5.J7 | length 686.4
  Top Layer w5: U1.A20@3977.52,3238.42 3977.52,3304.44 4029.87,3356.79 4033.16,3356.79 4038.48,3362.11 4038.48,3368.88 4032.85,3374.5 v1(4032.85,3377.94) ; v1(4184.76,3748.36) U5.J7@4200.51,3764.1
  Bottom Layer w5: v1(4032.85,3377.94) 4034.53,3379.62 4034.53,3394.3 4077.25,3437.01 4077.25,3706.35 ; 4077,3706.6 4102.87,3732.47 4102.87,3750.23 4116.49,3763.85 4169.26,3763.85 v1(4184.76,3748.36)
RX_D5_P: U1.B19 U5.H8 | length 717
  Top Layer w5: U1.B19@4009.01,3206.93 3995.62,3220.32 3995.62,3308.4 4033.41,3346.19 4036.7,3346.19 4048.48,3357.97 4048.48,3364.04 4054,3369.56 v1(4054,3373) ; v1(4216.25,3716.86) U5.H8@4232,3732.61
  Bottom Layer w5: v1(4054,3373) 4054,3376.44 4047.5,3382.94 4047.5,3393.13 4087.25,3432.87 4087.25,3702.71 4117.39,3732.85 4200.26,3732.85 v1(4216.25,3716.86)
RX_FRAME_N: U1.K18 U5.G7 | length 663.9
  Top Layer w5: v1@4246.5,3189.54 U1.K18@4260.56,3175.48 ; v1@4248.76,3749.36 U5.G7@4264.51,3765.1
  Mid-Layer 1 w5: v1(4246.5,3190.99) 4246.5,3192.78 4239,3200.28 4239,3208 4239.36,3208.36 4239.36,3240 4220,3259.36 4220,3298 4258,3336 4258,3379.71 4264,3385.71 v1(4264,3389)
  Bottom Layer w5: v1(4249.51,3748.1) 4273.25,3724.36 4273.25,3711.1 4274.72,3709.64 4274.72,3572.14 4239.51,3536.92 4239.51,3426.99 4258,3408.5 4258,3398.29 4264,3392.29 v1(4264,3389)
RX_FRAME_P: U1.K17 U5.G8 | length 667.6
  Top Layer w5: v1@4246.5,3158.04 U1.K17@4260.56,3143.98 ; v1@4248.76,3717.86 U5.G8@4264.51,3733.61
  Mid-Layer 1 w5: v1(4242,3389) 4242,3385.71 4248,3379.71 4248,3340.14 4210,3302.14 4210,3255.22 4229.36,3235.86 4229.36,3218 4229,3217.64 4229,3179.5 4246.5,3162 v1(4246.5,3159.49)
  Bottom Layer w5: v1(4242,3389) 4242,3392.29 4248,3398.29 4248,3404.36 4229.51,3422.85 4229.51,3541.07 4264.72,3576.28 4264.72,3705.5 4261.79,3708.43 4260.62,3708.43 4251.19,3717.86 v1@4248.76,3717.86
  other v1: 4248.51,3717.1